# Altium PCB ch32v307_core_board.PcbDoc
Units mil, origin at the board's own origin, x right, y up, seen from the top; angles counter-clockwise.
Board outline 1610.93 x 1810.92 mil, 2 copper layers (Top Layer, Bottom Layer); 29 components, 91 nets, 234 pads, 71 vias.
Unrouted connection lines stored in the file: 21.
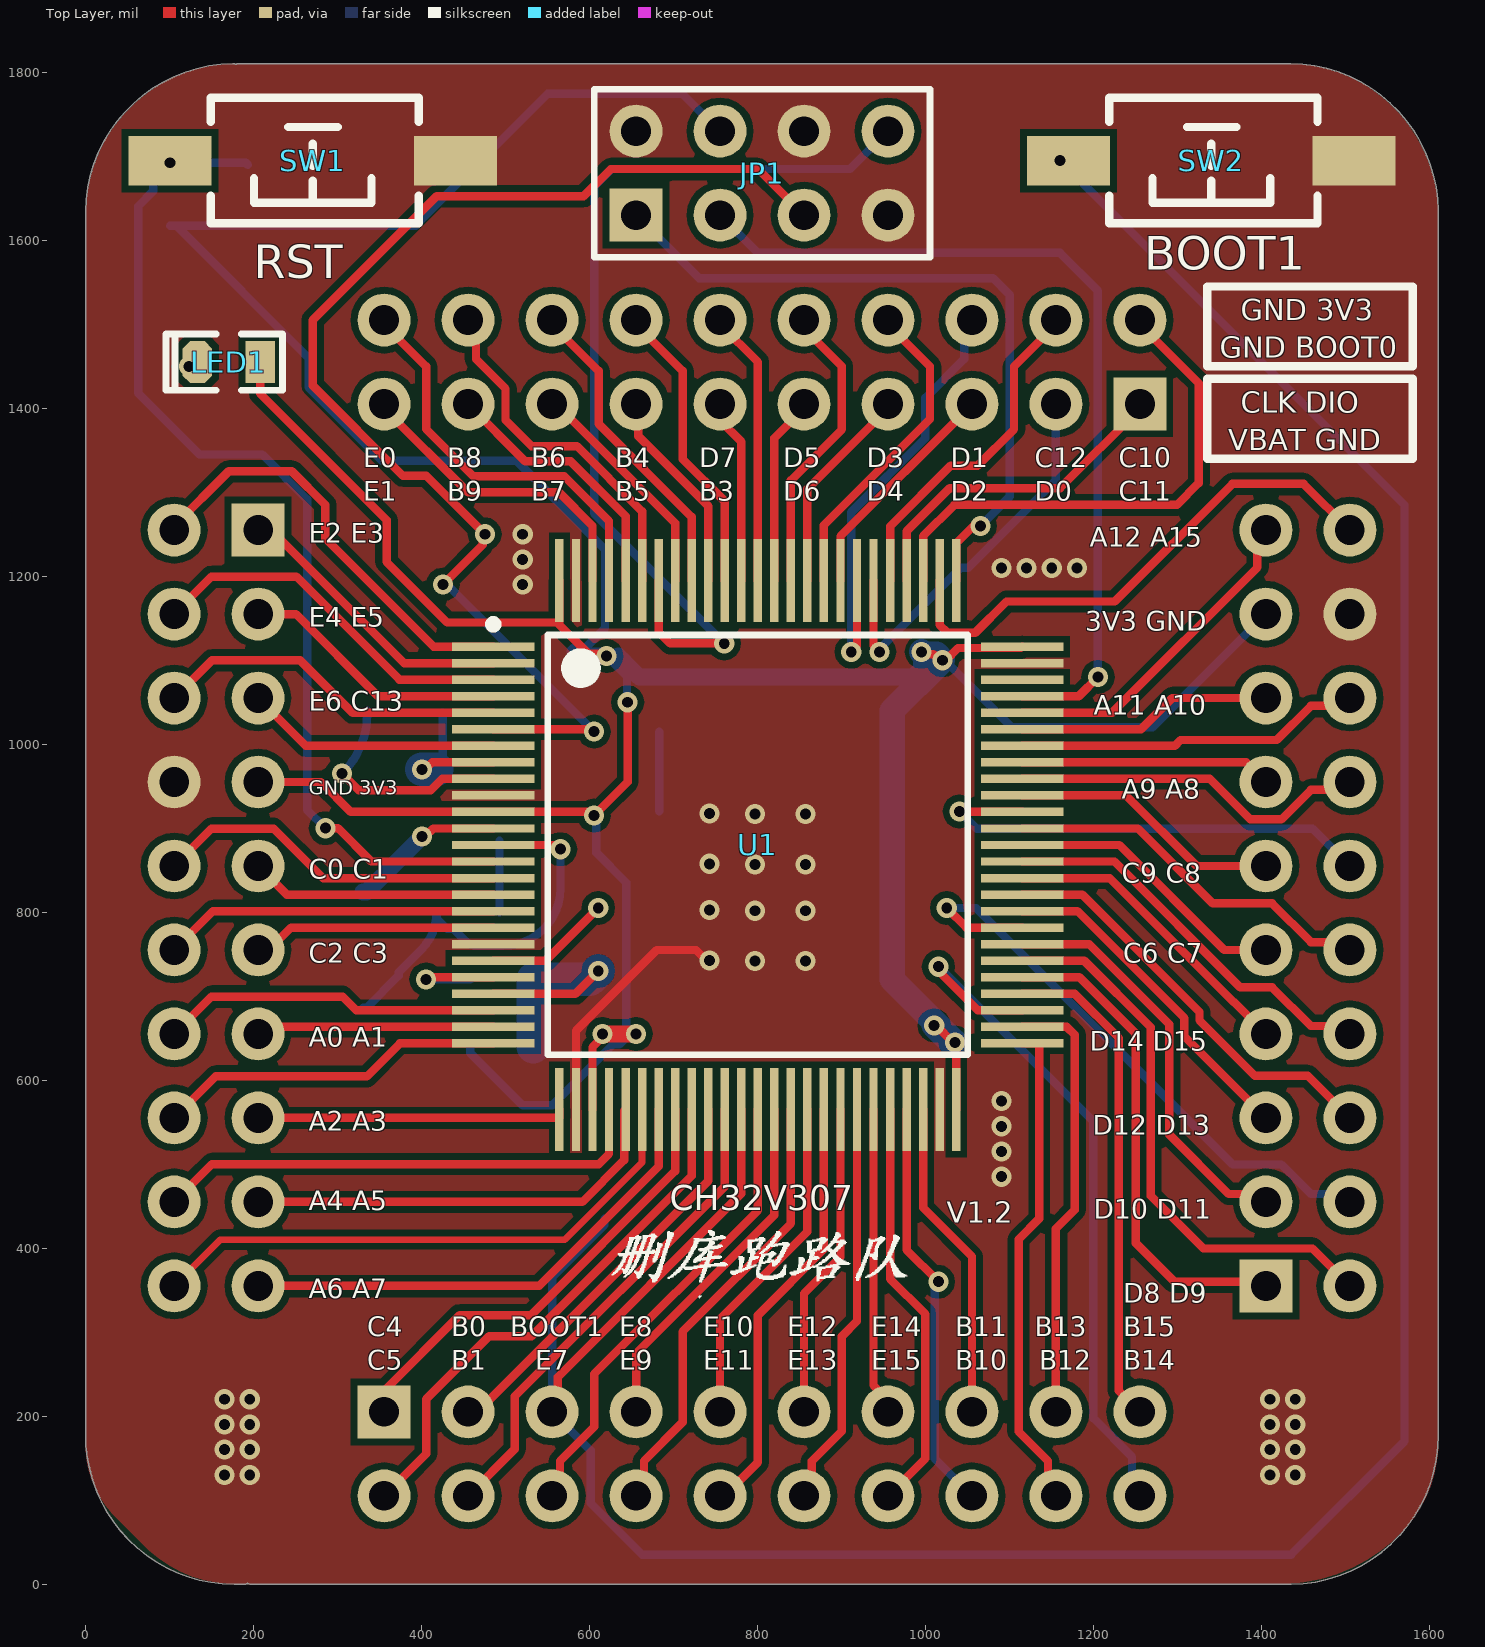
[diagram p0: Top Layer view]
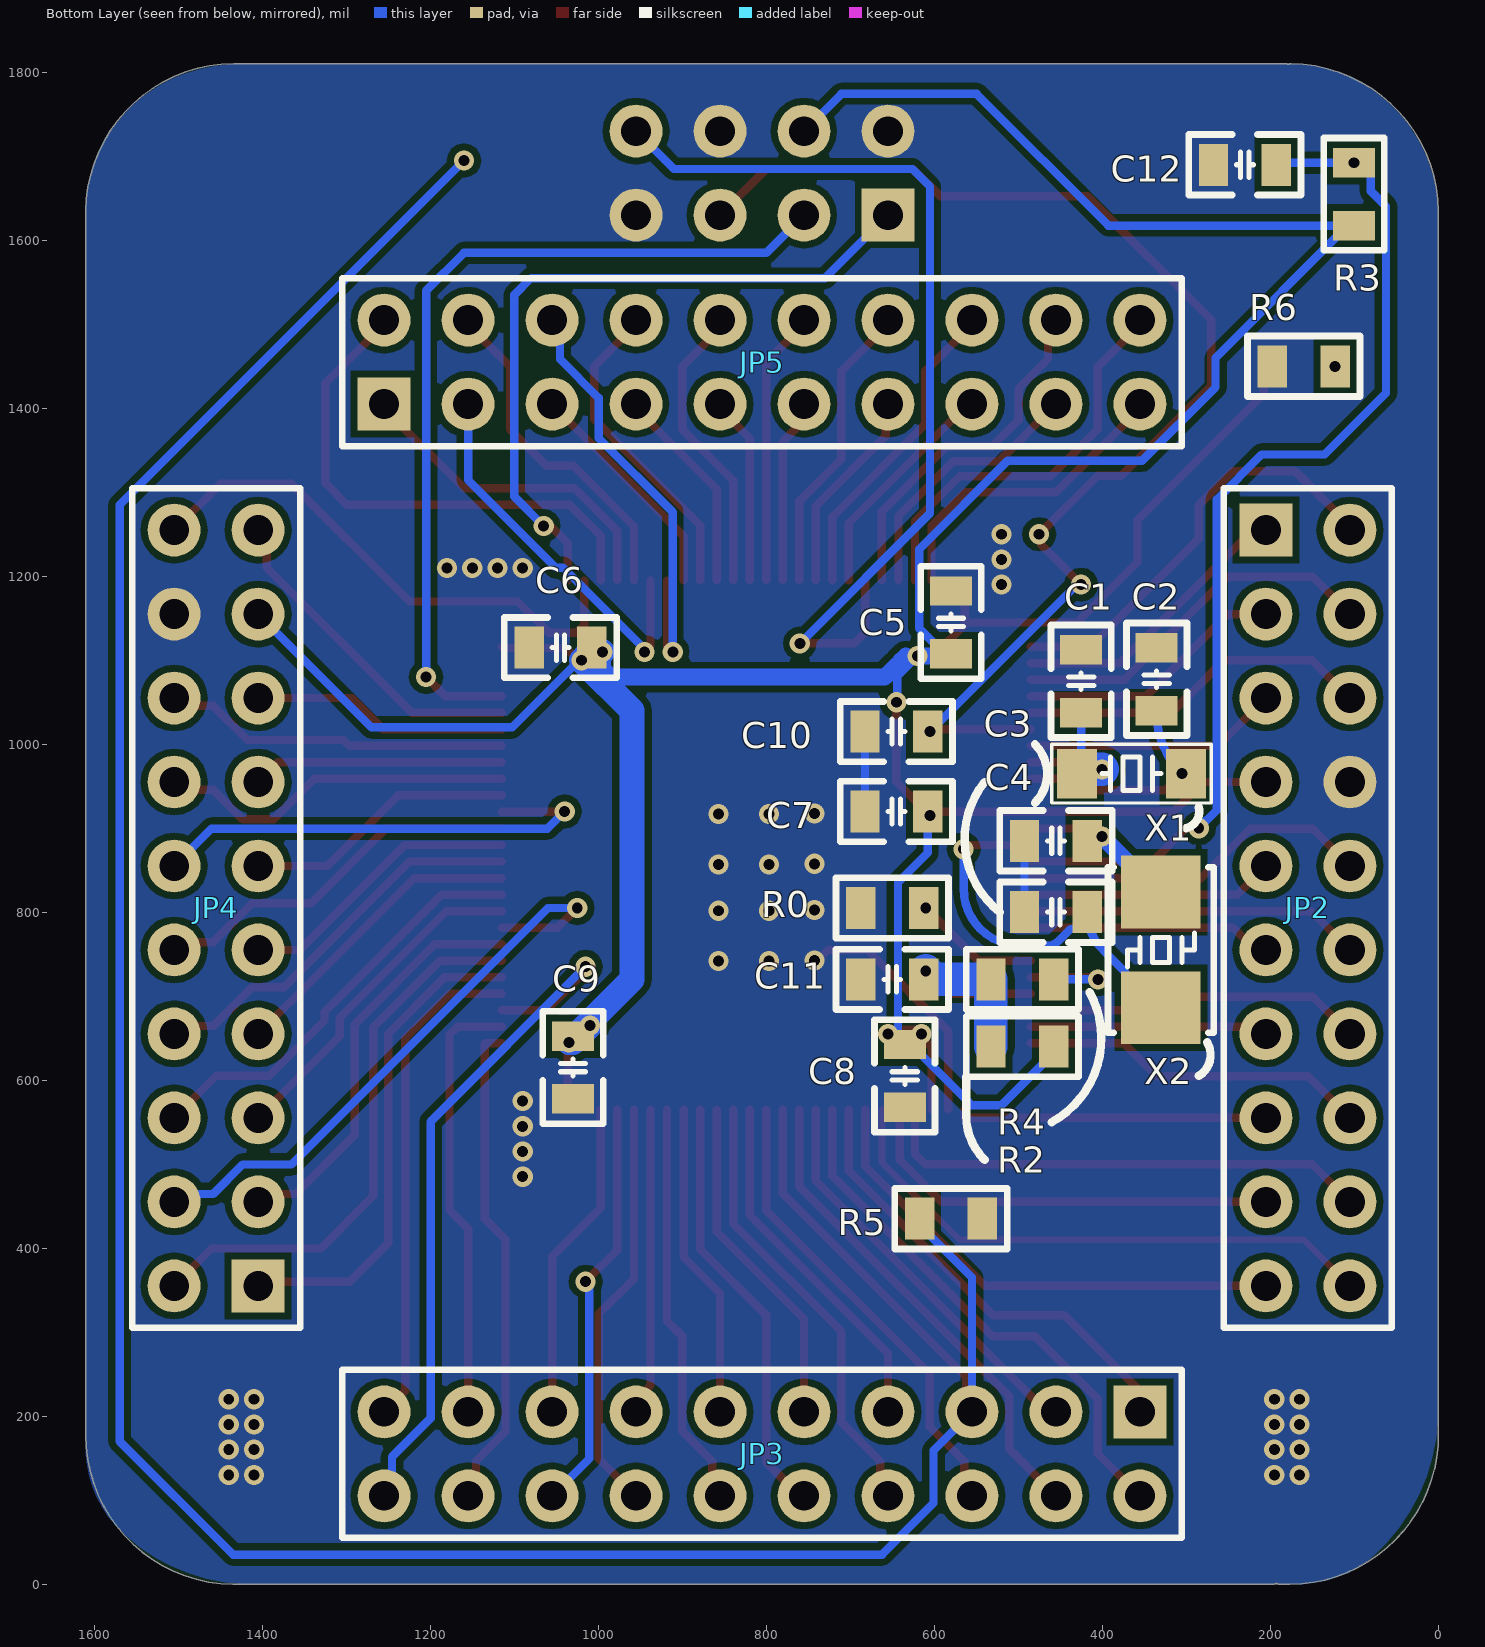
[diagram p1: Bottom Layer view, seen from below]

## Layer stack, top to bottom
Top Solder: solder mask 0.4, Solder Resist, Dk 3.5
Top Layer: signal copper 1.4
Dielectric 1: dielectric 12.6, FR-4, Dk 4.8
Bottom Layer: signal copper 1.4
Bottom Solder: solder mask 0.4, Solder Resist, Dk 3.5

## Board outline
-0.01,164.72 cw(c177.5,177.5) -0.45,174.92 cw(c4.57,174.99) -0.02,177.03 -0.02,1619.83 cw(c177.5,1632.5) 174.92,1810.45 cw(c174.99,1805.43) 177.87,1809.54 cw(c179.99,1805) 179.99,1810.01 1419.82,1810.01 cw(c1432.5,1632.5) 1610.45,1635.08 cw(c1605.43,1635.01) 1610.45,1635.01 cw(c1605.43,1635.01) 1610.01,1632.96 1610.01,190.18 cw(c1432.5,177.5) 1610.47,177.5 cw(c1432.5,177.5) 1435.08,-0.45 cw(c1435.01,4.57) 1432.97,-0.02 195,-0.02 cw(c195,5) 192.5,0.65 cw(c190,5) 190.36,0 cw(c177.5,177.5) 0,164.55 cw(c177.5,177.5)

## Design rules (kind name [scope] priority, off if disabled: settings)
Clearance [All] p1: gap=8 ignorepadtopadclearanceinfootprint=FALSE
PlaneClearance [All] p1: clearance=10
PolygonConnect PolygonConnect_10 [All vs IsNamedPolygon('Top Layer-GND') Or  IsNamedPolygon('Bottom Layer-GND 1')] p1: connectstyle=Direct reliefconductorwidth=10 reliefentries=4 polygonreliefangle="90 Angle" airgapwidth=10
PolygonConnect PolygonConnect_9 [All vs IsNamedPolygon('Top Layer-GND')] p2: connectstyle=Direct reliefconductorwidth=10 reliefentries=4 polygonreliefangle="90 Angle" airgapwidth=10
PolygonConnect PolygonConnect_8 [All vs IsNamedPolygon('Bottom Layer-GND 1')] p3: connectstyle=Direct reliefconductorwidth=10 reliefentries=4 polygonreliefangle="90 Angle" airgapwidth=10
PolygonConnect PolygonConnect_7 [All vs IsNamedPolygon('Bottom Layer-GND 1')] p4: connectstyle=Direct reliefconductorwidth=10 reliefentries=4 polygonreliefangle="90 Angle" airgapwidth=10
PolygonConnect PolygonConnect_6 [All vs IsNamedPolygon('Bottom Layer-GND')] p5: connectstyle=Direct reliefconductorwidth=10 reliefentries=4 polygonreliefangle="90 Angle" airgapwidth=10
PolygonConnect PolygonConnect_5 [All vs IsNamedPolygon('Bottom Layer-GND')] p6: connectstyle=NoConnect reliefconductorwidth=10 reliefentries=4 polygonreliefangle="90 Angle" airgapwidth=10
PolygonConnect PolygonConnect_4 [All vs IsNamedPolygon('GND_L01_P006')] p7: connectstyle=Direct reliefconductorwidth=10 reliefentries=4 polygonreliefangle="90 Angle" airgapwidth=10
PolygonConnect PolygonConnect_3 [All vs IsNamedPolygon('GND_L01_P006')] p8: connectstyle=Direct reliefconductorwidth=10 reliefentries=4 polygonreliefangle="90 Angle" airgapwidth=10
PolygonConnect PolygonConnect_2 [All vs IsNamedPolygon('Bottom Layer-GND')] p9: connectstyle=Direct reliefconductorwidth=10 reliefentries=4 polygonreliefangle="90 Angle" airgapwidth=10
PolygonConnect PolygonConnect_1 [All vs IsNamedPolygon('Bottom Layer-GND')] p10: connectstyle=NoConnect reliefconductorwidth=10 reliefentries=4 polygonreliefangle="90 Angle" airgapwidth=10
PolygonConnect [All] p11: connectstyle=Relief reliefconductorwidth=10 reliefentries=4 polygonreliefangle="90 Angle" airgapwidth=10
RoutingVias [All] p1: holewidth=28 width=50 viastyle="Through Hole" minholewidth=28 minwidth=50 maxholewidth=28 maxwidth=50
SolderMaskExpansion [All] p1: expansion=4
Width [All] p1: maxlimit=80 minlimit=8 preferedwidth=10
29 further rules are at their usual default settings.

## Components (designator, comment, footprint, x,y, rotation, side; value= is the part's Value field where it differs from the comment)
C1 "10pF" C0805_L 425,1075 r270 bottom
C2 "10pF" C0805_L 335,1077.4 r270 bottom
C3 "10pF" C0805_L 455,885 r180 bottom
C4 "10pF" C0805_L 455,800 r180 bottom
C5 "0.1uF" C0805_L 580,1145 r90 bottom
C6 "0.1uF" C0805_L 1045,1115 r0 bottom
C7 "0.1uF" C0805_L 645,920 r0 bottom
C8 "0.1uF" C0805_L 635,605 r270 bottom
C9 "0.1uF" C0805_L 1030,615 r270 bottom
C10 "0.1uF" C0805_L 645,1015 r0 bottom
C11 "0.1uF" C0805_L 650,720 r0 bottom
C12 "0.1uF" C0805_L 230,1690 r180 bottom
JP1 "Header 4X2" HDR2.54-LI-2x4P 805,1680 r0 top
JP2 "Header 2X10" HDR2.54-LI-2x10P 155,805 r270 bottom
JP3 "Header 2X10" HDR2.54-LI-2x10P 805,155 r0 bottom
JP4 "Header 2X10" HDR2.54-LI-2x10P 1455,805 r90 bottom
JP5 "Header 2X10" HDR2.54-LI-2x10P 805,1455 r180 bottom
LED1 "红色" LED0805_G 170,1455 r180 top
R0 "0R" R0805_L 650,805 r180 bottom
R2 "0R" R0805_L 495,640 r0 bottom
R3 "10K" R0805_L 100,1655 r270 bottom
R4 "0R" R0805_L 495,720 r0 bottom
R5 "10K" R0805_L 580,435 r0 bottom
R6 "10K" R0805_L 160,1450 r0 bottom
SW1 "3x6x5" "SW SMD-3*6*4.3" 270,1695 r180 top
SW2 "3x6x5" "SW SMD-3*6*4.3" 1340,1695 r180 top
U1 "CH32V307V" LQFP100 800,880 r0 top
X1 "32.768KHz 12.5pF" XTAL-3215-2P 365,965 r0 bottom
X2 "8MHz" XTAL-5032-2P 330,755 r90 bottom

## Footprints (in the part's own frame and the unit in brackets; to place one, negate y for a bottom-side part, rotate by r counter-clockwise, add the part's x,y. Pads: shape width x height; smd on the part's side, far side on the other; paste and mask are expansions set on the pad)
C0805_L [mil] "贴片MLCC电容"
  rect 35x50 smd: 1(-37.4,0) 2(37.4,0)
  silkscreen extent -67,-36 67,36, body extent -39,-24 39,24, height 22
HDR2.54-LI-2x4P [mm] "双排排针，4x2脚"
  rect 1.6x1.6 hole 0.9: 1(-3.81,-1.27)
  round 1.6 hole 0.9: 2(-3.81,1.27) 3(-1.27,-1.27) 4(-1.27,1.27) 5(1.27,-1.27) 6(1.27,1.27) 7(3.81,-1.27) 8(3.81,1.27)
  silkscreen extent -5.08,-2.54 5.08,2.54, body extent -5.08,-2.54 5.08,2.54, height 8.5
HDR2.54-LI-2x10P [mm] "双排排针，10x2脚"
  rect 1.6x1.6 hole 0.9: 1(-11.43,-1.27)
  round 1.6 hole 0.9: 2(-11.43,1.27) 3(-8.89,-1.27) 4(-8.89,1.27) 5(-6.35,-1.27) 6(-6.35,1.27) 7(-3.81,-1.27) 8(-3.81,1.27) 9(-1.27,-1.27) 10(-1.27,1.27) 11(1.27,-1.27) 12(1.27,1.27) 13(3.81,-1.27) 14(3.81,1.27) 15(6.35,-1.27) 16(6.35,1.27) 17(8.89,-1.27) 18(8.89,1.27) 19(11.43,-1.27) 20(11.43,1.27)
  silkscreen extent -12.7,-2.54 12.7,2.54, body extent -12.7,-2.54 12.7,2.54, height 8.5
LED0805_G [mil] "绿色0805LED            联系卖家 免费查找封装"
  rect 35x50 smd: 1(-37.4,0)
  oct 35x50 smd: 2(37.4,0)
  silkscreen extent -64,-33 75,33, body extent -39,-25 39,25, height 32
LQFP100 [mm] "TSQFP, 100-Leads, Body 16.0x16.0mm (max), Pitch 0.50mm, IPC Medium Density"
  rect 2.5x0.254 smd: 1(-8,6) 2(-8,5.5) 3(-8,5) 4(-8,4.5) 5(-8,4) 6(-8,3.5) 7(-8,3) 8(-8,2.5) 9(-8,2) 10(-8,1.5) 11(-8,1) 12(-8,0.5) 13(-8,0) 14(-8,-0.5) 15(-8,-1) 16(-8,-1.5) 17(-8,-2) 18(-8,-2.5) 19(-8,-3) 20(-8,-3.5) 21(-8,-4) 22(-8,-4.5) 23(-8,-5) 24(-8,-5.5) 25(-8,-6) 51(8,-6) 52(8,-5.5) 53(8,-5) 54(8,-4.5) 55(8,-4) 56(8,-3.5) 57(8,-3) 58(8,-2.5) 59(8,-2) 60(8,-1.5) 61(8,-1) 62(8,-0.5) 63(8,0) 64(8,0.5) 65(8,1) 66(8,1.5) 67(8,2) 68(8,2.5) 69(8,3) 70(8,3.5) 71(8,4) 72(8,4.5) 73(8,5) 74(8,5.5) 75(8,6)
  rect 0.254x2.5 smd: 26(-6,-8) 27(-5.5,-8) 28(-5,-8) 29(-4.5,-8) 30(-4,-8) 31(-3.5,-8) 32(-3,-8) 33(-2.5,-8) 34(-2,-8) 35(-1.5,-8) 36(-1,-8) 37(-0.5,-8) 38(0,-8) 39(0.5,-8) 40(1,-8) 41(1.5,-8) 42(2,-8) 43(2.5,-8) 44(3,-8) 45(3.5,-8) 46(4,-8) 47(4.5,-8) 48(5,-8) 49(5.5,-8) 50(6,-8) 76(6,8) 77(5.5,8) 78(5,8) 79(4.5,8) 80(4,8) 81(3.5,8) 82(3,8) 83(2.5,8) 84(2,8) 85(1.5,8) 86(1,8) 87(0.5,8) 88(0,8) 89(-0.5,8) 90(-1,8) 91(-1.5,8) 92(-2,8) 93(-2.5,8) 94(-3,8) 95(-3.5,8) 96(-4,8) 97(-4.5,8) 98(-5,8) 99(-5.5,8) 100(-6,8)
  silkscreen extent -8.12,-6.35 6.35,6.8
R0805_L [mil] "1/8W贴片电阻"
  rect 35x50 smd: 1(-37.4,0) 2(37.4,0)
  silkscreen extent -67,-36 67,36, body extent -39,-25 39,25, height 20
"SW SMD-3*6*4.3" [mm] "3*6*4.3mm                                 淘宝ID:黄晶宝石"
  rect 2.5x1.5 smd: 1(-4.318,0) 2(4.318,0)
  silkscreen extent -3.21,-1.9 3.09,1.9, body extent -4.6,-1.75 4.6,1.75, height 4.4
XTAL-3215-2P [mm] "3.2*1.5*0.6mm(长宽高)"
  rect 1.2x1.5 smd: 1(-1.65,0) 2(1.65,0)
  silkscreen extent -2.41,-0.89 2.41,0.89, body extent -1.6,-0.75 1.6,0.75, height 0.61
XTAL-5032-2P [mm] "5mm*3.2mm*0.8mm(长*宽*高)"
  rect 2.2x2.4 smd: 1(-1.75,0) 2(1.75,0)
  silkscreen extent -2.5,-1.6 2.5,1.6, body extent -2.5,-1.6 2.5,1.6, height 0.86

## Part data
C1 C2 C3 C4 C5 C6 C7 C8 C9 C10 C11 C12: library part C, "贴片电容/MLCC电容"
JP1: "4*2P接插件"
JP2 JP3 JP4 JP5: library part "Header 10X2", "10*2P接插件"
LED1: library part LED-SMD, "贴片LED"
R0 R2 R3 R4 R5 R6: library part R, "贴片电阻"
SW1 SW2: library part SW-PB, "微动开关"
U1: "RISC-V FPU HD-MCU, 144MHz, USB_480M, USB OTG, 1000M Ethernet MAC, 2*CAN, FSMC+DVP"
X1 X2: library part XTAL-2P, "2脚无源晶振(谐振器）"

## Via types
v1: diameter 24, hole 13, Top Layer to Bottom Layer, tented both sides, 58 vias
v2: diameter 24, hole 13, Top Layer to Bottom Layer, tented top, 13 vias

## Nets (pads, with @x,y where several pads share a name; then routed paths per layer and width w, separated by ;. In a path a pad name is that pad's centre, name@x,y a point inside that pad or via, vN(x,y) a via of type N, cw(c..) or ccw(c..) an arc to the next point about the centre after c; other vN are vias at no path point)
3V3: C5.1 C6.1 C7.1 C8.1 C9.1 JP1.4 JP2.7 JP4.17 LED1.1 R2.1 R3.2 U1.11 U1.28 U1.50 U1.75 U1.100 | length 5302.9
  Top Layer w10: JP2.7 279.64,955 315.27,919.37 U1.11 596.84,919.37 601.21,915 v2(605,915) 645,955 v1(645,1050) ; LED1.1 207.4,1417.6 357.95,1267.05 357.95,1217.05 430,1145 560.83,1145 563.78,1142.05 ; U1.100 563.78,1142.05 ; U1.28 603.15,639.36 615,651.21 v2(615,655) ; v1(620,1105) 617.32,1107.68 598.15,1107.68 563.78,1142.05 ; v2(995,1110) 997.68,1107.32 1008.89,1107.32 1016.21,1100 v2(1020,1100) 1023.79,1100 1038.32,1114.54 1113.28,1114.54 U1.75 ; v2(1010,665) 1012.5,665 1032.5,645 v2(1035,645) 1036.22,643.78 U1.50
  Top Layer w20: v2(615,655) v2(655,655)
  Bottom Layer w10: R3.2 R3.2@107.5,1617.6 ; R2.1 457.6,632.5 520.1,570 555.1,570 627.5,642.4 C8.1 643.1,650.5 643.1,835.38 607.6,870.89 C7.1 ; C5.1 C5.1@582.4,1110 ; C5.1@587.4,1105 587.4,1107.5 618,1138.1 618,1232 512.5,1337.5 352.5,1337.5 265,1425 265,1460.1 R3.2@107.5,1617.6 ; 633.79,1105 v1(620,1105) 644.21,1080.79 644.21,1050.79 v1(645,1050) ; 641.11,1097.68 645,1093.79 ; JP1.4 710.5,1774.5 549.5,1774.5 392.6,1617.6 R3.2@107.5,1617.6 ; C6.1 1007.6,1107.5 1007.78,1107.32 1017.55,1097.55 1020.1,1095 1027.6,1095 1102.6,1020 1270,1020 JP4.17
  Bottom Layer w20: C5.1@582.4,1110 587.4,1105 v1(620,1105) ; 633.79,1105 641.11,1097.68 ; 645,1093.79 658.79,1080 985,1080 995,1090 v2(995,1110)
  Bottom Layer w30: v2(995,1110) 997.68,1107.32 1007.78,1107.32 1012.68,1107.32 v2(1020,1100) 1017.55,1097.55 960,1040 960,720 v2(1035,645) 1030,645 v2(1010,665)
BOOT0: JP1.8 U1.94 | length 1130.7
  Top Layer w10: U1.94 681.89,1133.68 695.57,1120 v1(760,1120)
  Bottom Layer w10: v1(760,1120) 605,1275 605,1664.14 625.86,1685 910,1685 JP1.8
BOOT1: JP3.5 R5.2 SW2.2 U1.37 | length 3587.2
  Top Layer w10: JP3.5@555,200 561.95,206.95 561.95,246.5 780.32,464.86 U1.37
  Bottom Layer w10: R5.2 617.4,427.5 555,365.1 JP3.5 600.85,159.15 600.85,96.22 662.07,35 1435,35 1570,170 1570,1285 v1(1160,1695)
GND: C1.1 C2.1 C3.1 C4.1 C5.2 C6.2 C7.2 C8.2 C9.2 C10.2 C11.2 C12.1 JP1.2 JP1.6 JP1.7 JP2.8 JP4.18 R0.1 R5.1 R6.2 SW1.1 SW2.1 U1.10 U1.19 U1.27 U1.49 U1.74 U1.99 | length 477.9
  Top Layer w10: U1.27 583.46,658.82 679.64,755 726.38,755 738.79,742.58 v1(742.58,742.58)
  Bottom Layer w10: C4.1 C3.1 ; C7.2 C10.2
  other v1: 165,130 195,130 1410,130 1440,130 165,160 195,160 1410,160 1440,160 165,190 195,190 1410,190 1440,190 165,220 195,220 1410,220 1440,220 1090,485 1090,515 1090,545 1090,575 796.72,741.72 856.72,741.72 796.72,801.72 856.72,801.72 742.58,802.58 796.72,856.72 856.72,856.72 742.58,857.58 796.72,916.72 856.72,916.72 742.58,917.58 520,1190 1090,1210 1120,1210 1150,1210 1180,1210 520,1220 520,1250
NetLED1_2: LED1.2 R6.1
  other v1: 122.6,1450
NRST: C12.2 R3.1 SW1.2 U1.14 | length 1258.9
  Top Layer w10: v1(285,900) 300,900 339.69,860.31 U1.14
  Bottom Layer w10: C12.2 190.19,1692.4 v1(100,1692.4) 92.5,1692.4 80,1679.9 80,1658.49 62,1640.49 62,1418 135,1345 210,1345 263.42,1291.58 263.42,921.58 v1(285,900)
OSC32_IN: C1.2 U1.8 X1.2 | length 193.8
  Top Layer w10: v2(400,970) 403.79,970 412.21,978.43 U1.8
  Bottom Layer w10: X1.2@417.89,970 cw(c417.89,952.93) X1.2 cw(c441.93,976.97) 425,976.97 C1.2
  Bottom Layer w40: v2(400,970) X1.2@417.89,970
OSC32_OUT: C2.2 U1.9 X1.1 | length 277.1
  Top Layer w10: v2(305,965) 325,945 410.36,945 424.1,958.74 U1.9
  Bottom Layer w10: v2(305,965) 305.71,965.71 ccw(c235,1036.42) 335,1036.42 C2.2
OSC_IN: C3.2 U1.12 X2.2 | length 186.5
  Top Layer w10: v2(400,890) 403.79,890 413.47,899.68 U1.12
  Bottom Layer w20: X2.2 333.94,823.9 v2(400,890)
OSC_OUT: C4.2 U1.13 X2.1 | length 485.1
  Top Layer w10: U1.13 556.21,880 561.21,875 v1(565,875)
  Bottom Layer w10: X2.1 333.94,686.1 372.24,724.41 372.24,728.35 399.01,755.11 ccw(c354.13,800) C4.2 417.6,792.5 430.1,780 437.6,780 452.36,765.23 ccw(c465,777.87) 465,760 496.72,760 ccw(c496.72,828.28) 545,780 ccw(c496.72,828.28) 565,828.28 v1(565,875)
PA0: JP2.14 U1.23 | length 405.2
  Top Layer w10: JP2.14 149.5,699.5 305.52,699.5 321.87,683.15 U1.23
PA1: JP2.13 U1.24 | length 283.5
  Top Layer w10: JP2.13 213.46,663.46 U1.24
PA2: JP2.16 U1.25 | length 416.8
  Top Layer w10: JP2.16 154.46,604.46 334.46,604.46 373.78,643.78 U1.25
PA3: JP2.15 U1.26 | length 368.8
  Top Layer w10: JP2.15 563.78,555 U1.26
PA4: JP2.18 U1.29 | length 594.4
  Top Layer w10: JP2.18 150,500 610.71,500 622.83,512.13 U1.29
PA5: JP2.17 U1.30 | length 517.5
  Top Layer w10: JP2.17 591.16,455 640.83,504.67 640.83,563.35 U1.30
PA6: JP2.20 U1.31 | length 681.1
  Top Layer w8: JP2.20 160,410 570.2,410 662.2,502 U1.31
PA7: JP2.19 U1.32 | length 603.5
  Top Layer w10: JP2.19 539.54,355 681.89,497.35 U1.32
PA8: JP4.14 U1.67 | length 428.5
  Top Layer w10: U1.67 1338.33,958.74 1386.57,910.5 1423.43,910.5 1458.5,945.58 1495.58,945.58 JP4.14
PA9: JP4.13 U1.68 | length 299.7
  Top Layer w10: U1.68 1381.57,978.43 JP4.13
PA10: JP4.16 U1.69 | length 413.6
  Top Layer w10: U1.69 1296.47,998.11 1303.36,1005 1417.93,1005 1458.5,1045.58 1495.58,1045.58 JP4.16
PA11: JP4.15 U1.70 | length 305.5
  Top Layer w10: U1.70 1256.31,1017.8 1293.52,1055 JP4.15
PA12: JP4.19 U1.71 | length 400.3
  Top Layer w10: U1.71 1221.82,1037.48 1394.86,1210.52 1394.86,1244.86 JP4.19
PA14: JP1.1 U1.76 | length 855.5
  Top Layer w10: U1.76 1036.22,1239.17 1057.05,1260 v1(1065,1260)
  Bottom Layer w10: JP1.1 730,1555 1080,1555 1100,1535 1100,1295 v1(1065,1260)
PA15: JP4.20 U1.77 | length 641.4
  Top Layer w10: U1.77 1016.54,1142.05 1025.84,1132.75 1058.89,1132.75 1096.14,1170 1225,1170 1365,1310 1450,1310 JP4.20
PB0: JP3.3 U1.35 | length 484.9
  Top Layer w10: JP3.3 465.91,205 740.94,480.03 U1.35
PB1: JP3.4 U1.36 | length 586.6
  Top Layer w10: JP3.4 510.5,160.5 510.5,223.43 760.63,473.56 U1.36
PB3: JP5.11 U1.89 | length 215.5
  Top Layer w10: JP5.11@755,1400 755,1385.66 780.32,1360.35 U1.89
PB4: JP5.14 U1.90 | length 348.8
  Top Layer w10: JP5.14@655,1500 710.5,1444.5 710.5,1339.5 760.63,1289.37 U1.90
PB5: JP5.13 U1.91 | length 240.6
  Top Layer w10: JP5.13@655,1400 657.77,1397.23 657.77,1366.77 740.94,1283.6 U1.91
PB6: JP5.16 U1.92 | length 373.9
  Top Layer w10: JP5.16@555,1500 610.5,1444.5 610.5,1381.57 721.26,1270.81 U1.92
PB7: JP5.15 U1.93 | length 271.6
  Top Layer w10: JP5.15@555,1400 565,1400 701.57,1263.43 U1.93
PB8: JP5.18 U1.95 | length 427.6
  Top Layer w10: JP5.18 464.42,1495.58 464.42,1458.5 499.5,1423.43 499.5,1385.96 530.46,1355 584.54,1355 662.2,1277.34 U1.95
PB9: JP5.17 U1.96 | length 319.4
  Top Layer w10: JP5.17 523,1337 577.09,1337 642.52,1271.57 U1.96
PB10: JP3.16 U1.47 | length 496
  Top Layer w10: U1.47 977.17,397.83 v1(1015,360)
  Bottom Layer w10: v1(1015,360) 1015,356.21 1010.5,351.72 1010.5,149.5 JP3.16
PB11: JP3.15 U1.48 | length 389.1
  Top Layer w10: U1.48 996.85,448.15 1055,390 JP3.15 JP3.15@1055,200
PB12: JP3.18 U1.51 | length 592.4
  Top Layer w10: U1.51 1135,643.78 1135,434.92 1110.5,410.43 1110.5,181.57 1145.58,146.5 1145.58,109.42 JP3.18@1155,100
PB13: JP3.17 U1.52 | length 529.4
  Top Layer w10: U1.52 1167.87,663.46 1177.17,654.16 1177.17,445.34 1155,423.17 JP3.17@1155,200
PB14: JP3.20 U1.53 | length 858.8
  Top Layer w10: v1@1015,740 v1(1015,735.1) 1015,730.2 1062.05,683.15 U1.53
  Bottom Layer w10: v1(1015,735.1) 1199.5,550.6 1199.5,197.58 1245.58,151.5 1245.58,114.42 JP3.20
PB15: JP3.19 U1.54 | length 597.3
  Top Layer w10: U1.54 1177.17,702.83 1230,650 1230,230 JP3.19 JP3.19@1255,200
PC0: JP2.10 U1.15 | length 422.9
  Top Layer w10: JP2.10 149.5,899.5 223.43,899.5 282.3,840.63 U1.15
PC1: JP2.9 U1.16 | length 294.1
  Top Layer w10: JP2.9 239.06,820.94 U1.16
PC2: JP2.12 U1.17 | length 399.2
  Top Layer w10: JP2.12 151.26,801.26 U1.17
PC3: JP2.11 U1.18 | length 291
  Top Layer w10: JP2.11 217.61,755 244.18,781.57 U1.18
PC4: JP3.1 U1.33 | length 558.4
  Top Layer w10: JP3.1@355,200 JP3.1 355,230 445,320 530,320 701.57,491.57 U1.33
PC5: JP3.2 U1.34 | length 641.3
  Top Layer w10: JP3.2 405,155 405,220 480,295 530.46,295 721.26,485.8 U1.34
PC6: JP4.9 U1.63 | length 341.8
  Top Layer w10: U1.63 1230.46,880 1355.46,755 JP4.9
PC7: JP4.10 U1.64 | length 450
  Top Layer w10: U1.64 1252.57,899.68 1341.76,810.5 1412.42,810.5 1458.5,764.42 1495.58,764.42 JP4.10
PC8: JP4.12 U1.65 | length 567.1
  Top Layer w10: v1(1040,920) 1040.63,919.37 U1.65
  Bottom Layer w10: v1(1040,920) 1060.5,899.5 1460.5,899.5 JP4.12
PC9: JP4.11 U1.66 | length 324.9
  Top Layer w10: U1.66 1238.66,939.06 1322.72,855 JP4.11
PC10: JP5.2 U1.78 | length 625.3
  Top Layer w10: U1.78 996.85,1247.87 1033.98,1285 1299.14,1285 1325,1310.86 1325,1430 JP5.2@1255,1500
PC11: JP5.1 U1.79 | length 397.1
  Top Layer w10: U1.79 977.17,1253.64 1028.52,1305 1160,1305 JP5.1@1255,1400
PC12: JP5.4 U1.80 | length 405.6
  Top Layer w10: U1.80 957.48,1259.41 1029.64,1331.57 1061.57,1331.57 1105,1375 1105,1450 JP5.4@1155,1500
PC13: JP2.5 U1.7 | length 303.6
  Top Layer w10: JP2.5 261.89,998.11 U1.7
PD0: JP5.3 U1.81 | length 475
  Top Layer w10: U1.81 937.8,1117.2 v1(945,1110)
  Bottom Layer w10: v1(945,1110) 945,1113.29 1042.07,1210.36 1050.72,1210.36 1155,1314.64 JP5.3
PD1: JP5.6 U1.82 | length 542.4
  Top Layer w10: v1(911.22,1110) 918.11,1116.89 U1.82
  Bottom Layer w10: v1(911.22,1110) 911.22,1276.22 999.5,1364.5 999.5,1412.42 1045.58,1458.5 1045.58,1495.58 JP5.6
PD2: JP5.5 U1.83 | length 272.5
  Top Layer w10: U1.83 898.43,1247.87 1050.55,1400 JP5.5@1055,1400
PD3: JP5.8 U1.84 | length 378
  Top Layer w10: U1.84 878.74,1260.81 1005,1387.07 1005,1450 JP5.8@955,1500
PD4: JP5.7 U1.85 | length 244.8
  Top Layer w10: U1.85 859.06,1304.06 JP5.7@955,1400
PD5: JP5.10 U1.86 | length 348.8
  Top Layer w10: U1.86 839.37,1314.27 900,1374.9 900,1450 855,1495 JP5.10@855,1500
PD6: JP5.9 U1.87 | length 219.7
  Top Layer w10: U1.87 819.69,1364.69 JP5.9@855,1400
PD7: JP5.12 U1.88 | length 323.7
  Top Layer w10: JP5.12@755,1500 800,1455 U1.88
PD8: JP4.1 U1.55 | length 588.5
  Top Layer w10: U1.55 1182.94,722.52 1250,655.46 1250,405.86 1295.86,360 1400,360 JP4.1
PD9: JP4.2 U1.56 | length 668.1
  Top Layer w10: U1.56 1188.71,742.2 1268,662.91 1268,462 1330.5,399.5 1460.5,399.5 JP4.2
PD10: JP4.3 U1.57 | length 494.1
  Top Layer w10: U1.57 1194.48,761.89 1290,666.37 1290,535 1360.58,464.42 1395.58,464.42 JP4.3
PD11: JP4.4 U1.58 | length 724.6
  Top Layer w10: v1(1025,805) 1048.43,781.57 U1.58
  Bottom Layer w10: v1(1025,805) 1060,805 1365.5,499.5 1423.43,499.5 1458.5,464.42 1495.58,464.42 JP4.4
PD12: JP4.5 U1.59 | length 404.8
  Top Layer w10: U1.59 1180.56,801.26 1308,673.82 1308,652 JP4.5
PD13: JP4.6 U1.60 | length 506.2
  Top Layer w10: U1.60 1186.33,820.94 1326,681.28 1326,671.07 1392.07,605 1455,605 JP4.6
PD14: JP4.7 U1.61 | length 366.9
  Top Layer w10: U1.61 1218.91,840.63 1367.04,692.5 1367.5,692.5 JP4.7
PD15: JP4.8 U1.62 | length 475.1
  Top Layer w10: U1.62 1224.69,860.31 1374.5,710.5 1412.42,710.5 1458.5,664.42 1495.58,664.42 JP4.8
PE0: JP5.20 U1.97 | length 479.3
  Top Layer w10: JP5.20@355,1500 405.07,1449.93 405.07,1375.39 461.46,1319 569.63,1319 622.83,1265.8 U1.97
PE1: JP5.19 U1.98 | length 371.2
  Top Layer w10: JP5.19@355,1400 455,1300 563.18,1300 603.15,1260.03 U1.98
PE2: JP2.2 U1.1 | length 521.9
  Top Layer w10: JP2.2 105,1260 170,1325 245,1325 285,1285 285,1245 413.78,1116.22 U1.1
PE3: JP2.1 U1.2 | length 345.7
  Top Layer w10: JP2.1 220.46,1255 378.92,1096.54 U1.2
PE4: JP2.4 U1.3 | length 449.3
  Top Layer w10: JP2.4 149.5,1199.5 250.5,1199.5 373.15,1076.85 U1.3
PE5: JP2.3 U1.4 | length 320.6
  Top Layer w10: JP2.3 250,1155 347.83,1057.17 U1.4
PE6: JP2.6 U1.5 | length 424.6
  Top Layer w10: JP2.6 150,1100 255,1100 317.52,1037.48 U1.5
PE7: JP3.6 U1.38 | length 566.5
  Top Layer w10: JP3.6@555,100 564.42,109.42 564.42,146.5 605.07,187.14 605.07,250.07 800,445 U1.38
PE8: JP3.7 U1.39 | length 433.3
  Top Layer w10: JP3.7@655,200 655,274.54 819.69,439.23 U1.39
PE9: JP3.8 U1.40 | length 541.4
  Top Layer w10: JP3.8@655,100 664.42,109.42 664.42,146.5 710.5,192.58 710.5,300.5 839.37,429.37 U1.40
PE10: JP3.9 U1.41 | length 408.1
  Top Layer w10: JP3.9@755,200 755,315.56 859.06,419.61 U1.41
PE11: JP3.10 U1.42 | length 516.3
  Top Layer w10: JP3.10@755,100 800,145 800,320 878.74,398.74 U1.42
PE12: JP3.11 U1.43 | length 383
  Top Layer w10: JP3.11@855,200 855,345.87 898.43,389.3 U1.43
PE13: JP3.12 U1.44 | length 491.2
  Top Layer w10: JP3.12@855,100 864.42,109.42 864.42,146.5 900,182.07 900,295 918.11,313.11 U1.44
PE14: JP3.13 U1.45 | length 367.2
  Top Layer w10: U1.45 937.8,236.54 955,219.34 JP3.13
PE15: JP3.14 U1.46 | length 495.9
  Top Layer w10: JP3.14 999.5,149.5 999.5,321.32 957.48,363.34 U1.46
SWDIO: JP1.3 U1.72 | length 1046.8
  Top Layer w10: U1.72 1182.17,1057.17 v1(1205,1080)
  Bottom Layer w10: JP1.3 800,1585 1160,1585 1205,1540 v1(1205,1080)
VBAT: C10.1 JP1.5 U1.6 | length 1492.9
  Top Layer w10: v1(425,1190) 472.32,1237.32 472.32,1247.32 v1(475,1250) 405.38,1319.62 377.45,1319.62 270,1427.07 270,1505 417.47,1652.47 592.47,1652.47 625,1685 800,1685 JP1.5 ; U1.6 598.42,1017.8 601.21,1015 v2(605,1015)
  Bottom Layer w10: v1(425,1190) 430,1190 v2(605,1015)
VDDA: C11.1 R2.2 R4.2 U1.22 | length 298
  Top Layer w10: U1.22 582.83,702.83 v2(610,730)
  Bottom Layer w40: R2.2 R4.2 600,720 v2(610,730)
VREF+: R4.1 U1.21 | length 133.7
  Top Layer w10: v1(405,720) 407.52,722.52 U1.21
  Bottom Layer w10: v1(405,720) R4.1
VREF-: R0.2 U1.20 | length 151
  Top Layer w10: U1.20 547.2,742.2 v2(610,805)
pads on no net: U1.73

## Polygon pours and split planes (outlines as drawn)
GND on Bottom Layer "Bottom Layer-GND 1" (solid, pour order 20): 0,208.99 ccw(c238.99,208.99) 70,40 ccw(c166.57,136.57) 166.57,0 1413.08,0 ccw(c1413.08,221.92) 1570,65 ccw(c1473.43,161.57) 1610,161.57 1610,1634.29 ccw(c1439.29,1634.29) 1560,1755 ccw(c1427.22,1622.22) 1427.22,1810 175.71,1810 ccw(c175.71,1639.29) 55,1760 ccw(c187.78,1627.22) 0,1627.22
no net on Bottom Layer "Bottom Layer-No Net" (solid, pour order 10): 1735,1605
GND on Bottom Layer "Bottom Layer-GND" (solid, pour order 4): 665,950 665,695 915,695 915,950
GND on Top Layer "Top Layer-GND" (solid, pour order 16): 0,165 ccw(c120.71,165) 35.36,79.64 70,45 ccw(c178.64,153.64) 178.64,0 1420.15,0 ccw(c1420.15,204.85) 1565,60 ccw(c1456.36,168.64) 1610,168.64 1610,1627.22 ccw(c1422.22,1627.22) 1555,1760 ccw(c1434.29,1639.29) 1434.29,1810 175.71,1810 ccw(c175.71,1639.29) 55,1760 53.03,1758.03 ccw(c181.07,1630) 0,1630
no net on Top Layer "Top Layer-No Net" (solid, pour order 14): -130,1610
GND on Top Layer "GND_L01_P006" (solid, pour order 6): 885,945 885,695 710,695 710,945

## Silkscreen, mask and mechanical layers (free items; w line width, h text height)
Top Overlay:
  drawing of 902 lines, arcs and shapes, not listed
  text "BOOT1" at 1260,1565 h40
  text "RST" at 200,1555 h40
  text "GND 3V3" at 1375,1505 h25
  text "GND BOOT0" at 1350,1460 h25
  text "CLK DIO" at 1375,1395 h25
  text "VBAT GND" at 1360,1350 h25
  text "E0" at 330,1330 h23
  text "B8" at 430,1330 h23
  text "B6" at 530,1330 h23
  text "B4" at 630,1330 h23
  text "D7" at 730,1330 h23
  text "D5" at 830,1330 h23
  text "D3" at 930,1330 h23
  text "D1" at 1030,1330 h23
  text "C12" at 1130,1330 h23
  text "C10" at 1230,1330 h23
  text "E1" at 330,1290 h23
  text "B9" at 430,1290 h23
  text "B7" at 530,1290 h23
  text "B5" at 630,1290 h23
  text "B3" at 730,1290 h23
  text "D6" at 830,1290 h23
  text "D4" at 930,1290 h23
  text "D2" at 1030,1290 h23
  text "D0" at 1130,1290 h23
  text "C11" at 1230,1290 h23
  text "E2 E3" at 265,1240 h23
  text "A12 A15" at 1195,1235 h23
  text "E4 E5" at 265,1140 h23
  text "3V3 GND" at 1190,1135 h23
  text "E6 C13" at 265,1040 h23
  text "A11 A10" at 1200,1035 h23
  text "GND 3V3" at 265,940 h17
  text "A9 A8" at 1233.32,935 h23
  text "C0 C1" at 265,840 h23
  text "C9 C8" at 1233.32,835 h23
  text "C2 C3" at 265,740 h23
  text "C6 C7" at 1235,740 h23
  text "A0 A1" at 265,640 h23
  text "D14 D15" at 1195,635 h23
  text "A2 A3" at 265,540 h23
  text "D12 D13" at 1198.83,535 h23
  text "A4 A5" at 265,445 h23
  text "CH32V307" at 695,445 h30
  text "D10 D11" at 1200,435 h23
  text "V1.2" at 1025,430 h25
  text "A6 A7" at 265,340 h23
  text "D8 D9" at 1235,335 h23
  text "C4" at 335,295 h23
  text "B0" at 435,295 h23
  text "BOOT1" at 505,295 h23
  text "E8" at 635,295 h23
  text "E10" at 735,295 h23
  text "E12" at 835,295 h23
  text "E14" at 935,295 h23
  text "B11" at 1035,295 h23
  text "B13" at 1130,295 h23
  text "B15" at 1235,295 h23
  text "C5" at 335,255 h23
  text "B1" at 435,255 h23
  text "E7" at 535,255 h23
  text "E9" at 635,255 h23
  text "E11" at 735,255 h23
  text "E13" at 835,255 h23
  text "E15" at 935,255 h23
  text "B10" at 1035,255 h23
  text "B12" at 1135,255 h23
  text "B14" at 1235,255 h23
Bottom Overlay:
  lines w10: 275,645 ccw(c300,630) 285,605 ; 285,925 ccw(c305,920) 300,900 ; 415,705 ccw(c515,650) 460,550 ; 480,930 cw(c515,965) 480,1000 ; 521.93,800 ccw(c453.46,886.53) 540,955 ; 540,505 ccw(c487.06,557.94) 561.93,557.94 561.93,604
Mechanical 1:
  lines w10: 4.57,174.99 ccw(c177.5,177.5) 190,5 ; 5,164.99 5,1620 cw(c177.5,1632.5) 174.99,1805.43 ; 179.99,1805 1425,1805 ; 195,5 1440.01,5 ; 1420,1805 cw(c1432.5,1632.5) 1605.43,1635.01 ; 1435.01,4.57 ccw(c1432.5,177.5) 1605,190 ; 1605,180 1605,1635.01